# KiCad board hw-openmower-universal.kicad_pcb (continued)
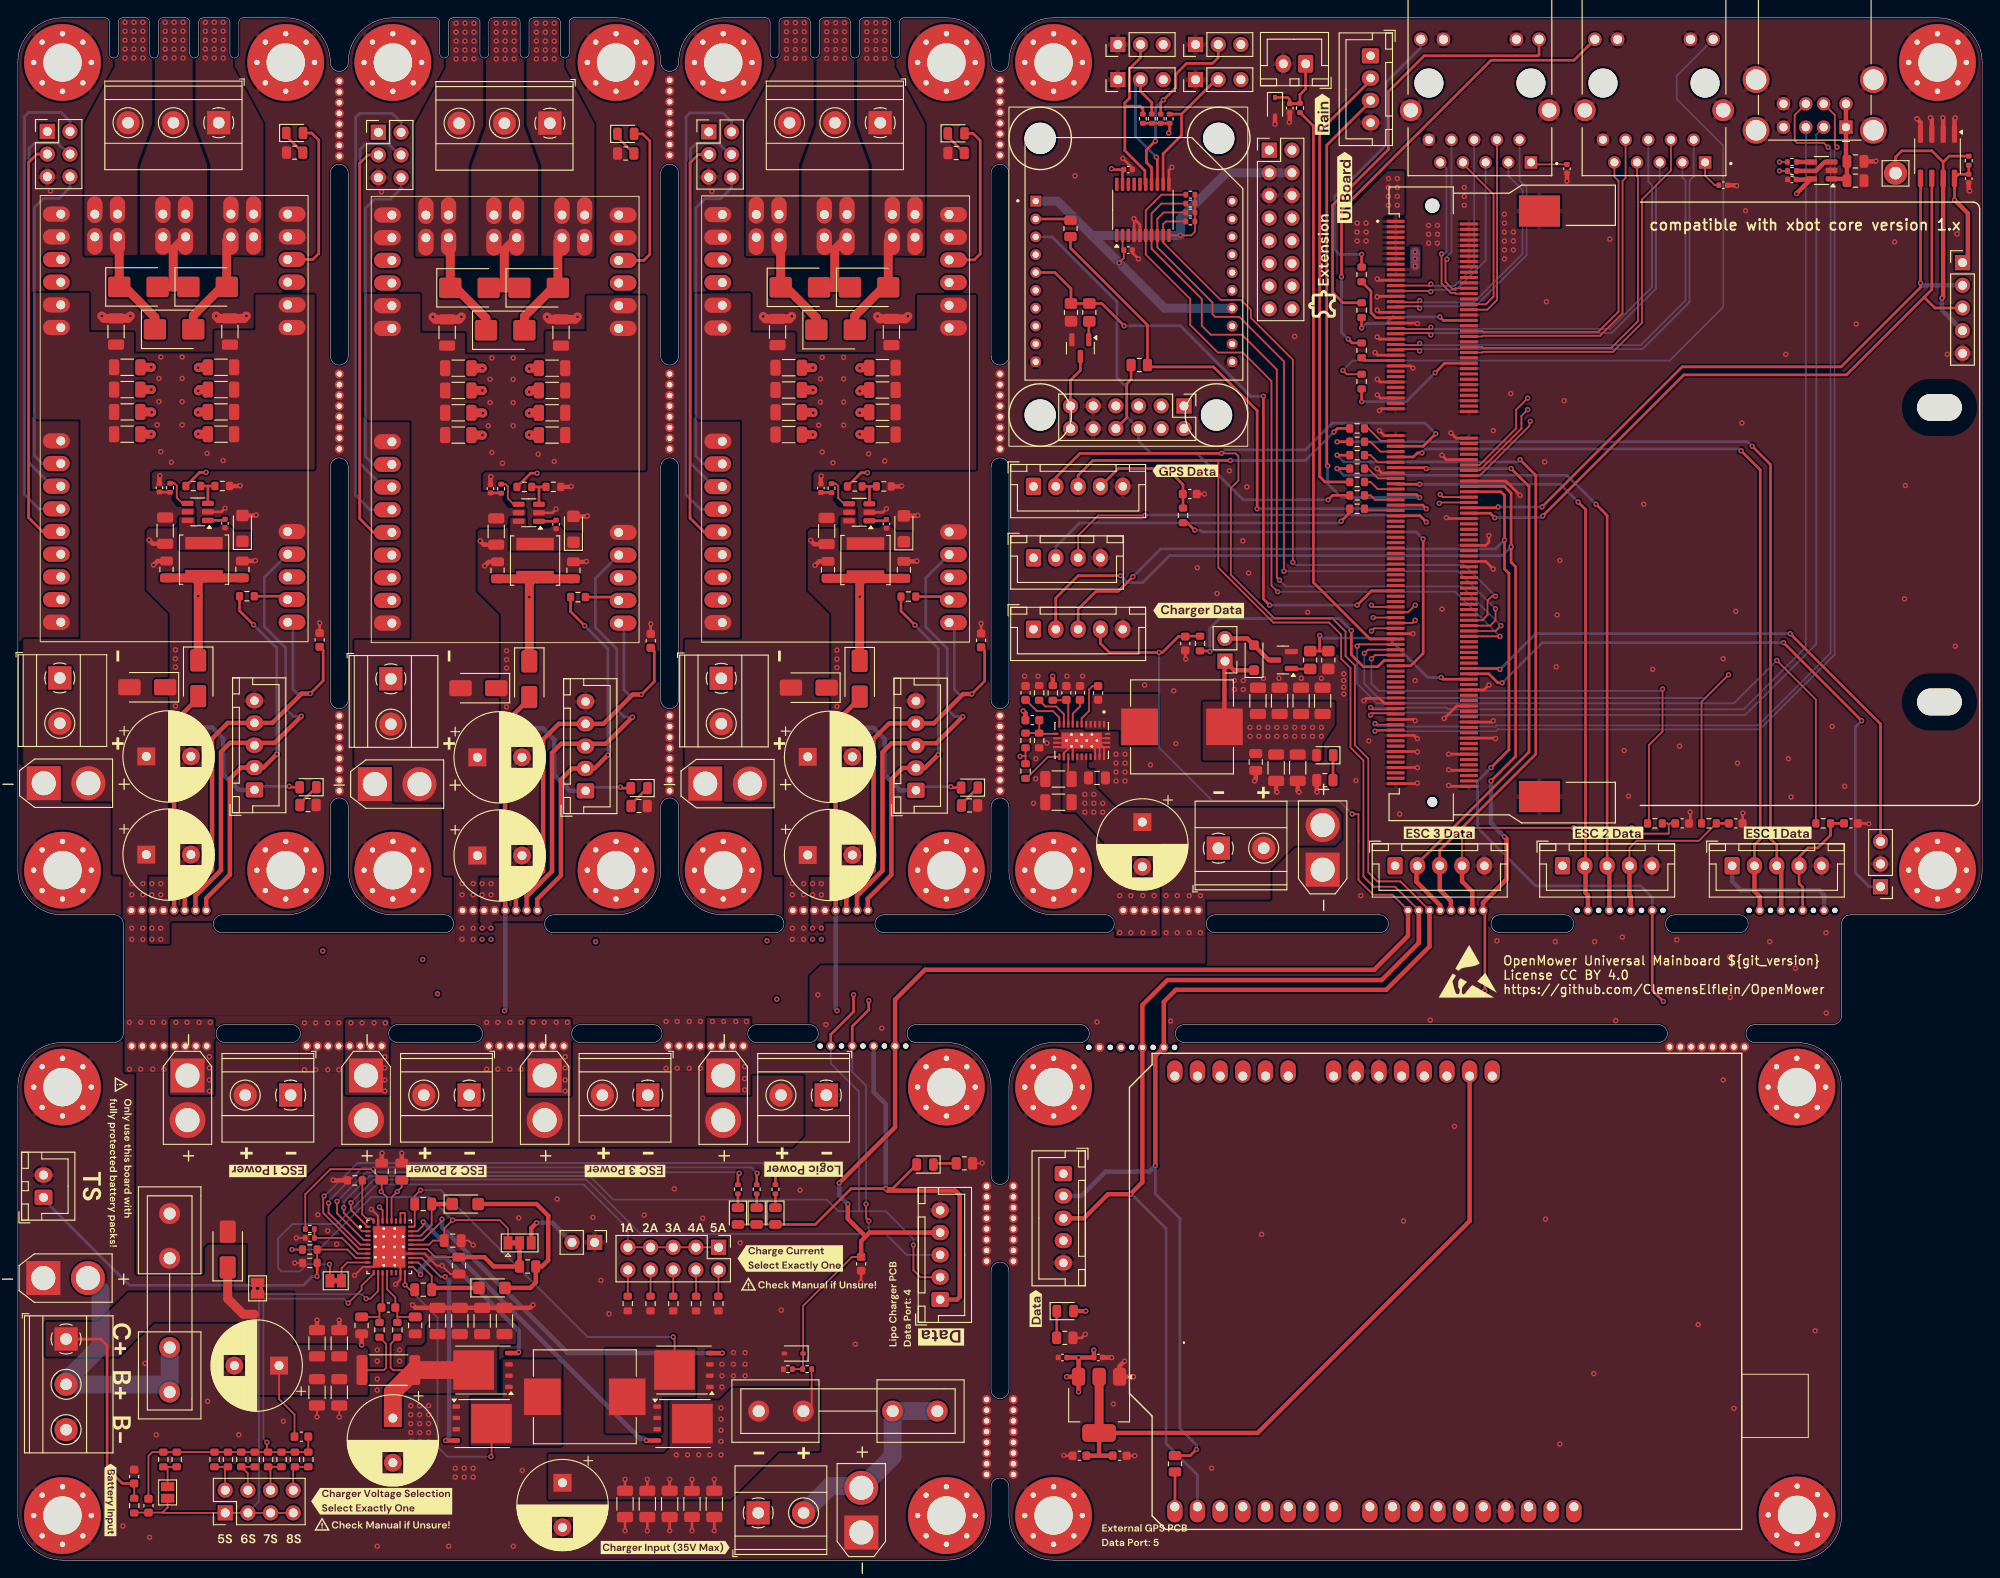
[diagram p0: board, top side]
## Footprints (pads in the part's own frame, mm; a bottom-side part is the same pattern mirrored in y, then rotated) (continued)
xcore
  round 1.6 hole 1.6 unplated: (0,33.4)
  round 1.1 hole 1.1 unplated: (0,-33.4)
  oval 5x3 hole 5x3 unplated: (56.8,10.8) (56.8,-22.2)
  rect 2x0.35 smd: 1(-4.1,31.65) 2(4.1,31.35) 3(-4.1,31.05) 4(4.1,30.75) 5(-4.1,30.45) 6(4.1,30.15) 7(-4.1,29.85) 8(4.1,29.55) 9(-4.1,29.25) 10(4.1,28.95) 11(-4.1,28.65) 12(4.1,28.35) 13(-4.1,28.05) 14(4.1,27.75) 15(-4.1,27.45) 16(4.1,27.15) 17(-4.1,26.85) 18(4.1,26.55) 19(-4.1,26.25) 20(4.1,25.95) 21(-4.1,25.65) 22(4.1,25.35) 23(-4.1,25.05) 24(4.1,24.75) 25(-4.1,24.45) 26(4.1,24.15) 27(-4.1,23.85) 28(4.1,23.55) 29(-4.1,23.25) 30(4.1,22.95) 31(-4.1,22.65) 32(4.1,22.35) 33(-4.1,22.05) 34(4.1,21.75) 35(-4.1,21.45) 36(4.1,21.15) 37(-4.1,20.85) 38(4.1,20.55) 39(-4.1,20.25) 40(4.1,19.95) 41(-4.1,19.65) 42(4.1,19.35) 43(-4.1,19.05) 44(4.1,18.75) 45(-4.1,18.45) 46(4.1,18.15) 47(-4.1,17.85) 48(4.1,17.55) 49(-4.1,17.25) 50(4.1,16.95) 51(-4.1,16.65) 52(4.1,16.35) 53(-4.1,16.05) 54(4.1,15.75) 55(-4.1,15.45) 56(4.1,15.15) 57(-4.1,14.85) 58(4.1,14.55) 59(-4.1,14.25) 60(4.1,13.95) 61(-4.1,13.65) 62(4.1,13.35) 63(-4.1,13.05) 64(4.1,12.75) 65(-4.1,12.45) 66(4.1,12.15) 67(-4.1,11.85) 68(4.1,11.55) 69(-4.1,11.25) 70(4.1,10.95) 71(-4.1,10.65) 72(4.1,10.35) 73(-4.1,7.65) 74(4.1,7.35) 75(-4.1,7.05) 76(4.1,6.75) 77(-4.1,6.45) 78(4.1,6.15) 79(-4.1,5.85) 80(4.1,5.55) 81(-4.1,5.25) 82(4.1,4.95) 83(-4.1,4.65) 84(4.1,4.35) 85(-4.1,4.05) 86(4.1,3.75) 87(-4.1,3.45) 88(4.1,3.15) 89(-4.1,2.85) 90(4.1,2.55) 91(-4.1,2.25) 92(4.1,1.95) 93(-4.1,1.65) 94(4.1,1.35) 95(-4.1,1.05) 96(4.1,0.75) 97(-4.1,0.45) 98(4.1,0.15) 99(-4.1,-0.15) 100(4.1,-0.45) 101(-4.1,-0.75) 102(4.1,-1.05) 103(-4.1,-1.35) 104(4.1,-1.65) 105(-4.1,-1.95) 106(4.1,-2.25) 107(-4.1,-2.55) 108(4.1,-2.85) 109(-4.1,-3.15) 110(4.1,-3.45) 111(-4.1,-3.75) 112(4.1,-4.05) 113(-4.1,-4.35) 114(4.1,-4.65) 115(-4.1,-4.95) 116(4.1,-5.25) 117(-4.1,-5.55) 118(4.1,-5.85) 119(-4.1,-6.15) 120(4.1,-6.45) 121(-4.1,-6.75) 122(4.1,-7.05) 123(-4.1,-7.35) 124(4.1,-7.65) 125(-4.1,-7.95) 126(4.1,-8.25) 127(-4.1,-8.55) 128(4.1,-8.85) 129(-4.1,-9.15) 130(4.1,-9.45) 131(-4.1,-9.75) 132(4.1,-10.05) 133(-4.1,-10.35) 134(4.1,-10.65) 135(-4.1,-10.95) 136(4.1,-11.25) 137(-4.1,-11.55) 138(4.1,-11.85) 139(-4.1,-12.15) 140(4.1,-12.45) 141(-4.1,-12.75) 142(4.1,-13.05) 143(-4.1,-13.35) 144(4.1,-13.65) 145(-4.1,-13.95) 146(4.1,-14.25) 147(-4.1,-14.55) 148(4.1,-14.85) 149(-4.1,-15.15) 150(4.1,-15.45) 151(-4.1,-15.75) 152(4.1,-16.05) 153(-4.1,-16.35) 154(4.1,-16.65) 155(-4.1,-16.95) 156(4.1,-17.25) 157(-4.1,-17.55) 158(4.1,-17.85) 159(-4.1,-18.15) 160(4.1,-18.45) 161(-4.1,-18.75) 162(4.1,-19.05) 163(-4.1,-19.35) 164(4.1,-19.65) 165(-4.1,-19.95) 166(4.1,-20.25) 167(-4.1,-20.55) 168(4.1,-20.85) 169(-4.1,-21.15) 170(4.1,-21.45) 171(-4.1,-21.75) 172(4.1,-22.05) 173(-4.1,-22.35) 174(4.1,-22.65) 175(-4.1,-22.95) 176(4.1,-23.25) 177(-4.1,-23.55) 178(4.1,-23.85) 179(-4.1,-24.15) 180(4.1,-24.45) 181(-4.1,-24.75) 182(4.1,-25.05) 183(-4.1,-25.35) 184(4.1,-25.65) 185(-4.1,-25.95) 186(4.1,-26.25) 187(-4.1,-26.55) 188(4.1,-26.85) 189(-4.1,-27.15) 190(4.1,-27.45) 191(-4.1,-27.75) 192(4.1,-28.05) 193(-4.1,-28.35) 194(4.1,-28.65) 195(-4.1,-28.95) 196(4.1,-29.25) 197(-4.1,-29.55) 198(4.1,-29.85) 199(-4.1,-30.15) 200(4.1,-30.45) 201(-4.1,-30.75) 202(4.1,-31.05) 203(-4.1,-31.35) 204(4.1,-31.65)
  rect 4.6x3.5 smd: SH1(12,32.8) SH2(12,-32.8)
xESC2-mini
  oval 1.7x3 hole 1: 1(-17.775,27.94) 2(-15.235,27.94) 3(-10.155,27.94) 4(-7.615,27.94) 5(-5.075,27.94) 5V(-12.695,27.94) 5V(17.785,27.94) 5V(17.785,2.54) 5V(20.325,27.94) 5V(20.325,2.54) 6(-2.535,27.94) 11(-20.315,2.54) 12(-17.775,2.54) 13(-15.235,2.54) 14(-12.695,2.54) GND(-20.315,27.94) GND(-10.155,2.54) GND(0.005,27.94) GND(22.865,27.94) GND(22.865,2.54) GND(25.405,27.94) GND(25.405,2.54) VM(12.705,27.94) VM(12.705,2.54) VM(15.245,27.94) VM(15.245,2.54)
  oval 3x1.7 hole 1: U(22.865,8.89) U(22.865,6.35) U(25.405,8.89) U(25.405,6.35) V(22.865,16.51) V(22.865,13.97) V(25.405,16.51) V(25.405,13.97) W(22.865,24.13) W(22.865,21.59) W(25.405,24.13) W(25.405,21.59)

## Nets
/5V: C4.1 C20.1 C28.1 C29.1 C30.1 C31.1 C32.1 C33.1 C37.2 C63.2 C117.1 C118.1 D4.2 D5.2 D6.2 D15.2 D21.1 D24.2 D25.2 D28.2 D29.2 D36.2 D37.2 D38.2 D39.2 J1.1 J5.1 J5.2 J11.1 J12.1 J12.3 J12.5 J12.7 J12.9 J12.11 J12.13 J12.15 J12.17 J15.1 J16.1 J18.1 J20.1 J21.1 J23.1 J25.1 J26.1 J27.1 J28.3 J29.1 J30.3 J52.3 J54.3 L1.2 M1.1 R7.2 R8.1 R47.1 R48.1 R49.1 R50.1 R56.2 R57.1 R82.1 U1.3 U3.5 U7.19 U12.3 U13.2 U13.8 U49.4 U50.5 U51.5 U52.5 U61.3 XA1.5V1
/GPS/3.3V: C119.2 C120.2 U12.2 XA1.IORF
/subpcb_logic/3.3V: C17.1 C19.1 J5.3 J5.4 J12.19 J12.21 J32.1 R15.1 R19.1 R37.1 R38.1 R41.1 U5.8 U6.1 U6.14 U7.2 U7.10
/xESC1/5V: C102.1 C103.1 D24.1 D32.2 J37.1 L6.2 R28.1 U9.5V
/xESC2/5V: C107.1 C108.1 D28.1 D33.2 J38.1 L7.2 R31.1 U10.5V
/xESC/5V: C21.1 C35.1 D4.1 D31.2 J36.1 L5.2 R10.1 U8.5V
GND: C1.2 C2.2 C3.2 C4.2 C5.2 C6.2 C7.2 C8.2 C9.2 C12.1 C14.1 C15.1 C17.2 C18.2 C19.2 C20.2 C21.2 C22.2 C23.2 C24.2 C25.2 C26.1 C29.2 C30.2 C31.2 C32.2 C33.2 C34.2 C35.2 C36.2 C37.1 C38.2 C39.2 C40.2 C41.2 C42.2 C43.2 C44.2 C45.2 C46.2 C47.2 C48.2 C50.2 C51.2 C52.2 C53.2 C54.2 C55.2 C56.2 C57.2 C58.2 C59.2 C60.2 C61.2 C62.2 C63.1 C64.2 C65.2 C66.2 C67.2 C68.2 C69.2 C70.2 C71.2 C72.2 C73.2 C74.2 C75.2 C76.2 C77.2 C78.2 C79.2 C80.2 C81.1 C82.2 C84.2 C85.2 C86.2 C87.2 C88.2 C89.2 C90.2 C91.2 C92.2 C93.2 C94.2 C95.2 C96.2 C97.2 C98.2 C99.2 C100.2 C102.2 C103.2 C104.2 C105.2 C107.2 C108.2 C109.2 C110.2 C111.2 C115.1 C117.2 C118.2 C119.1 C120.1 D1.2 D7.1 D11.1 D17.1 D22.2 D23.2 D27.2 D30.2 H1.1 H2.1 H3.1 H5.1 H6.1 H7.1 H10.1 H13.1 H14.1 H15.1 H17.1 H20.1 H21.1 H22.1 H23.1 H24.1 H25.1 H26.1 H27.1 H28.1 H29.1 H30.1 H31.1 H32.1 J1.4 J3.3 J5.5 J5.6 J6.4 J6.8 J6.9 J7.10 J7.12 J7.13 J7.S1 J7.S2 J8.10 J8.12 J8.13 J8.S1 J8.S2 J9.1 J10.1 J11.5 J12.2 J12.4 J12.6 J12.8 J12.10 J12.12 J12.14 J12.16 J12.18 J12.23 J12.24 J12.29 J12.30 J12.35 J12.36 J12.39 J12.40 J12.45 J12.46 J12.51 J12.52 J12.55 J12.56 J12.61 J12.62 J12.67 J12.68 J12.71 J12.72 J12.73 J12.74 J12.82 J12.87 J12.90 J12.104 J12.114 J12.120 J12.147 J12.168 J12.173 J12.174 J12.179 J12.180 J12.185 J12.186 J12.191 J12.192 J12.197 J12.198 J12.203 J12.204 J12.SH1 J12.SH2 J13.1 J14.1 J15.4 J16.5 J17.1 J18.5 J19.2 J20.5 J21.5 J23.5 J24.2 J25.5 J26.5 J27.5 J28.1 J29.5 J30.1 J31.2 J32.5 J36.5 J37.5 J38.5 J39.1 J40.1 J41.1 J42.1 J43.1 J44.1 J52.1 J54.1 J56.1 J57.1 J58.1 J59.1 J60.1 J61.1 J62.1 J63.1 Q1.2 Q2.2 Q7.1 Q7.2 Q7.3 Q9.1 Q9.2 Q9.3 R2.1 R4.2 R17.2 R22.2 R24.1 R29.2 R32.2 R36.2 R44.2 R45.2 R46.2 R51.2 R52.1 R55.1 R60.2 R61.2 R62.2 R64.2 R65.2 R73.2 R74.1 R75.2 R78.2 R79.2 R81.2 R89.2 TP1.1 U1.4 U2.5 U2.6 U2.7 U2.8 U3.2 U4.5 U4.6 U4.7 U4.8 U5.1 U5.2 U5.3 U5.4 U6.10 U6.11 U7.4 U7.5 U7.11 U8.GND U9.GND U10.GND U11.13 U11.14 U11.15 U11.17 U11.19 U11.24 U11.25 U11.26 U11.27 U11.28 U11.29 U11.30 U11.31 U12.1 U13.5 U13.11 U27.10 U27.17 U27.22 U27.35 U27.37 U28.2 U29.2 U47.2 U50.3 U50.4 U51.3 U51.4 U52.3 U52.4 U53.5 U53.6 U53.7 U53.8 U54.5 U54.6 U54.7 U54.8 U55.5 U55.6 U55.7 U55.8 U56.1 U56.2 U56.3 U56.4 U56.5 U56.6 U56.7 U56.8 U57.1 U57.2 U57.3 U57.4 U57.5 U57.6 U57.7 U57.8 U58.1 U58.2 U58.3 U58.4 U58.5 U58.6 U58.7 U58.8 U59.1 U59.2 U59.3 U59.4 U59.5 U59.6 U59.7 U59.8 U62.1 U62.2 U62.3 U62.4 U62.5 U62.6 U62.7 U62.8 U63.1 U63.2 U63.3 U63.4 U63.5 U63.6 U63.7 U63.8 U64.1 U64.2 U64.3 U64.4 U64.5 U64.6 U64.7 U64.8 U65.1 U65.2 U65.3 U65.4 U65.5 U65.6 U65.7 U65.8 U66.1 U66.2 U66.3 U66.4 U66.5 U66.6 U66.7 U66.8 U67.1 U67.2 U67.3 U67.4 U67.5 U67.6 U67.7 U67.8 U68.1 U68.2 U68.3 U68.4 U68.5 U68.6 U68.7 U68.8 U69.1 U69.2 U69.3 U69.4 U69.5 U69.6 U69.7 U69.8 U70.1 U70.2 U70.3 U70.4 U70.5 U70.6 U70.7 U70.8 U71.1 U71.2 U71.3 U71.4 U71.5 U71.6 U71.7 U71.8 XA1.GND1 XA1.GND2 XA1.GND3
/I2C1.SCL: J12.94 J23.3 J27.3 U27.1 U48.4 U61.2
/I2C1.SDA: J12.92 J23.2 J27.2 U27.2 U60.8 U61.1
/subpcb_charger/Charger/DRV_SUP: C78.1 JP1.2 R66.1 U27.23
/subpcb_charger/Charger/FB: C11.1 J2.1 J2.3 J2.5 J2.7 JP3.2 R33.2 U27.12
/subpcb_charger/Charger/FBG: C11.2 C49.2 R23.2 R71.2 R80.2 R86.2 R87.2 R88.2 R93.2 R94.2 R95.2 R96.2 U27.11
/subpcb_charger/Charger/ICHG: JP4.2 U27.9
/subpcb_charger/Charger/REGN: C84.1 JP1.1 R72.1 U27.24
/subpcb_charger/Charger/SRN: C82.1 C83.2 R69.2 U27.13
/subpcb_charger/Charger/SRP: C81.2 C83.1 R68.2 U27.14
/subpcb_charger/Charger/STAT1: R34.2 U27.4
/subpcb_charger/Charger/STAT2: R35.2 U27.5
/subpcb_charger/Charger/TS: J19.1 R72.2 R73.1 U27.8
/subpcb_charger/Charger/V_BATT_CHARGE: C12.2 C43.1 C44.1 C45.1 C46.1 C47.1 C49.1 D3.1 J3.1 JP2.2 R33.1 R67.1 R69.1
/subpcb_charger/Charger/~{PG}: R76.2 U27.6
/subpcb_charger/V_CHARGE: C38.1 C39.1 C40.1 C41.1 C42.1 C79.1 C80.1 F2.2 Q6.5 R21.1 R22.1 R54.2 U27.32 U27.33 U27.34
/subpcb_logic/AGPIO0: J12.149 R16.1
/subpcb_logic/AGPIO1: C48.1 C76.1 J11.4 J18.4 R18.1 U8.11 U49.3 U50.6
/subpcb_logic/AGPIO2: C8.1 C109.1 J20.4 J25.4 R39.1 U9.11 U48.3 U51.6
/subpcb_logic/AGPIO3: C7.1 C110.1 J21.4 J26.4 R40.1 U10.11 U52.6 U60.7
/subpcb_logic/AGPIO4: C2.1 C111.1 D23.1 J23.4 J27.4 R42.1 R54.1 R55.2 U60.1 U61.4
/subpcb_logic/AGPIO5: C6.1 J16.4 R63.1
/subpcb_logic/Connectors/ETH1.LED_G: J12.54 R11.1
/subpcb_logic/Connectors/ETH1.LED_Y: J12.53 R12.1
/subpcb_logic/Connectors/ETH1.PAIR_A_N: J7.3 J12.47
/subpcb_logic/Connectors/ETH1.PAIR_A_P: J7.2 J12.49
/subpcb_logic/Connectors/ETH1.PAIR_B_N: J7.7 J12.48
/subpcb_logic/Connectors/ETH1.PAIR_B_P: J7.4 J12.50
/subpcb_logic/Connectors/ETH1.PAIR_C_N: J7.6 J12.41
/subpcb_logic/Connectors/ETH1.PAIR_C_P: J7.5 J12.43
/subpcb_logic/Connectors/ETH1.PAIR_D_N: J7.9 J12.42
/subpcb_logic/Connectors/ETH1.PAIR_D_P: J7.8 J12.44
/subpcb_logic/Connectors/ETH2.LED_G: J12.38 R13.1
/subpcb_logic/Connectors/ETH2.LED_Y: J12.37 R14.1
/subpcb_logic/Connectors/ETH2.PAIR_A_N: J8.3 J12.31
/subpcb_logic/Connectors/ETH2.PAIR_A_P: J8.2 J12.33
/subpcb_logic/Connectors/ETH2.PAIR_B_N: J8.7 J12.32
/subpcb_logic/Connectors/ETH2.PAIR_B_P: J8.4 J12.34
/subpcb_logic/Connectors/ETH2.PAIR_C_N: J8.6 J12.25
/subpcb_logic/Connectors/ETH2.PAIR_C_P: J8.5 J12.27
/subpcb_logic/Connectors/ETH2.PAIR_D_N: J8.8 J12.26
/subpcb_logic/Connectors/ETH2.PAIR_D_P: J8.9 J12.28
/subpcb_logic/Connectors/USBH1.N: J6.2 J12.177
/subpcb_logic/Connectors/USBH1.P: J6.3 J12.175
/subpcb_logic/Connectors/USBH2.N: J6.6 J12.183
/subpcb_logic/Connectors/USBH2.P: J6.7 J12.181
/subpcb_logic/DCDC/BIAS: C115.2 R82.2 U11.9
/subpcb_logic/GPIO0: J5.7 J12.145
/subpcb_logic/GPIO1: J12.131 R24.2 R25.1 U6.5
/subpcb_logic/GPIO2: J5.11 J12.141
/subpcb_logic/GPIO3: J5.13 J12.139
/subpcb_logic/GPIO4: J5.15 J12.137
/subpcb_logic/GPIO7: J5.9 J12.143
/subpcb_logic/GPIO10: J12.148 R41.2 U7.6
/subpcb_logic/GPIO11: J12.146 R38.2 U7.7
/subpcb_logic/GPIO12: J12.144 R37.2 U7.8
/subpcb_logic/GPIO13: J12.142 R19.2 U7.9
/subpcb_logic/HALL0_5V: J54.2 R50.2 U7.15
/subpcb_logic/HALL1_5V: J52.2 R49.2 U7.14
/subpcb_logic/HALL2_5V: J30.2 R48.2 U7.13
/subpcb_logic/HALL3_5V: J28.2 R47.2 U7.12
/subpcb_logic/I2C2.SCL: J5.10 J12.98
/subpcb_logic/I2C2.SDA: J5.8 J12.96
/subpcb_logic/I2C4_ID.SCL: J12.102 J32.3 U5.6
/subpcb_logic/I2C4_ID.SDA: J12.100 J32.2 U5.5
/subpcb_logic/RASPI_FAN_ON: J12.164 R52.2 R53.1
/subpcb_logic/SPI2.MISO: J5.12 J12.84
/subpcb_logic/SPI2.MOSI: J5.14 J12.86
/subpcb_logic/SPI2.SCK: J5.16 J12.88
/subpcb_logic/STM_SWCLK: J12.160 J31.3
/subpcb_logic/STM_SWDIO: J12.162 J31.1
/subpcb_logic/UART7.RX: J12.95 J15.3
/subpcb_logic/UART7.TX: J15.2 R83.1
/subpcb_logic/UART8.RX: J12.99 R26.2 R58.2
/subpcb_logic/UART8.TX: R84.1 U6.3 U13.9
/subpcb_logic/UART10.RX: J1.3 J12.103
/subpcb_logic/UART10.TX: J1.2 R85.1
/subpcb_logic/~{WC}: J32.4 R15.2 TP2.1 U5.7
/UART1.RX: J11.2 J12.81 J18.2 R43.1 U49.1 U50.8
/UART1.TX: J11.3 J18.3 R1.1 U8.14 U49.2 U50.7
/UART2.RX: J12.91 J20.2 J25.2 R70.1 U48.1 U51.8
/UART2.TX: J20.3 J25.3 R3.1 U9.14 U48.2 U51.7
/UART4.RX: J12.85 J21.2 J26.2 R77.1 U52.8 U60.4
/UART4.TX: J21.3 J26.3 R5.1 U10.14 U52.7 U60.5
/UART6.RX: J12.77 J16.2 J29.2 R59.2 U1.1 U60.3
/UART6.TX: J16.3 J29.3 R6.1 U1.2 U60.2 XA1.D1
/V_BATTERY: C1.1 C3.1 C22.1 C23.1 C24.1 C34.1 C36.1 C51.1 C52.1 C53.1 C54.1 C57.1 C60.1 C61.1 C62.1 C64.1 C65.1 C66.1 C67.1 C68.1 C69.1 C70.1 C71.1 C72.1 C73.1 C74.1 C75.1 C77.1 C85.1 C86.1 C87.1 C88.1 C89.1 C90.1 C91.1 C92.1 C93.1 C94.1 C95.1 C96.1 C97.1 C98.1 C99.1 C100.1 C104.1 C105.1 D3.2 D7.2 D11.2 D17.2 F1.2 J13.2 J14.2 J39.2 J40.2 J41.2 J42.2 J43.2 J44.2 J56.2 J57.2 J58.2 J59.2 J60.2 J61.2 J62.2 J63.2 JP2.1 R9.1 R27.1 R30.1 U2.1 U2.2 U2.3 U2.4 U4.1 U4.2 U4.3 U4.4 U8.VM U9.VM U10.VM U11.18 U11.20 U11.21 U11.22 U28.5 U29.5 U47.5 U50.1 U50.2 U51.1 U51.2 U52.1 U52.2 U53.1 U53.2 U53.3 U53.4 U54.1 U54.2 U54.3 U54.4 U55.1 U55.2 U55.3 U55.4
/xESC1/HALL_SENSOR.U: J37.2 U9.4
/xESC1/HALL_SENSOR.V: J37.4 U9.5
/xESC1/HALL_SENSOR.W: J37.6 U9.6
/xESC1/PHASE.U: D12.2 D14.2 J34.1 U9.U
/xESC1/PHASE.V: D12.1 D13.2 J34.2 U9.V
/xESC1/PHASE.W: D13.1 D14.1 J34.3 U9.W
/xESC1/Temperature: J37.3 U9.3
/xESC2/HALL_SENSOR.U: J38.2 U10.4
/xESC2/HALL_SENSOR.V: J38.4 U10.5
/xESC2/HALL_SENSOR.W: J38.6 U10.6
/xESC2/PHASE.U: D18.2 D20.2 J35.1 U10.U
/xESC2/PHASE.V: D18.1 D19.2 J35.2 U10.V
/xESC2/PHASE.W: D19.1 D20.1 J35.3 U10.W
/xESC2/Temperature: J38.3 U10.3
/xESC/HALL_SENSOR.U: J36.2 U8.4
/xESC/HALL_SENSOR.V: J36.4 U8.5
/xESC/HALL_SENSOR.W: J36.6 U8.6
/xESC/PHASE.U: D8.2 D10.2 J22.1 U8.U
/xESC/PHASE.V: D8.1 D9.2 J22.2 U8.V
/xESC/PHASE.W: D9.1 D10.1 J22.3 U8.W
/xESC/Temperature: J36.3 U8.3
Net-(C27-Pad2): C27.2 L1.1 U11.1 U11.2 U11.3 U11.4 U11.5
Net-(D1-K): C18.1 D1.1 J24.1 R16.2
Net-(D2-A): D2.2 D26.2 R66.2
Net-(D2-K): C16.2 D2.1 U27.20
Net-(D5-K): D5.1 R34.1
Net-(D6-K): D6.1 R35.1
Net-(D15-K): D15.1 R62.1
Net-(D21-A): D21.2 M1.2 Q2.3
Net-(D22-K): C10.1 D22.1 L5.1 U28.6
Net-(D25-K): D25.1 R44.1
Net-(D26-K): C13.2 D26.1 U27.26
Net-(D27-K): C101.1 D27.1 L6.1 U29.6
Net-(D29-K): D29.1 R76.1
Net-(D30-K): C106.1 D30.1 L7.1 U47.6
Net-(D31-K): D31.1 R45.1
Net-(D32-K): D32.1 R46.1
Net-(D33-K): D33.1 R60.1
Net-(D36-K): D36.1 R64.1
Net-(D37-K): D37.1 R65.1
Net-(D38-K): D38.1 R78.1
Net-(D39-K): D39.1 R79.1
Net-(J2-Pin_2): J2.2 R87.1 R88.1
Net-(J2-Pin_4): J2.4 R23.1 R71.1
Net-(J2-Pin_6): J2.6 R80.1 R86.1
Net-(J2-Pin_8): J2.8 R93.1 R94.1
Net-(J3-Pin_2): F1.1 J3.2 J9.2
Net-(J4-Pin_1): J4.1 J4.3 J4.5 J4.7 J4.9 JP4.1
Net-(J4-Pin_2): J4.2 R89.1
Net-(J4-Pin_4): J4.4 R81.1
Net-(J4-Pin_6): J4.6 R36.1
Net-(J4-Pin_8): J4.8 R4.1
Net-(J4-Pin_10): J4.10 R2.2
Net-(J6-VBUS1): C5.1 C9.1 J6.1 J6.5 U3.1
Net-(J7-P1): C14.2 J7.1
Net-(J7-Pad11): J7.11 R11.2
Net-(J7-Pad14): J7.14 R12.2
Net-(J8-P1): C15.2 J8.1
Net-(J8-Pad11): J8.11 R13.2
Net-(J8-Pad14): J8.14 R14.2
Net-(J10-Pin_2): F2.1 J10.2 J17.2
Net-(J12B-UART1.TX): J12.79 R1.2
Net-(J12B-UART2.TX): J12.89 R3.2
Net-(J12B-UART4.TX): J12.83 R5.2
Net-(J12B-UART6.TX): J12.75 R6.2
Net-(J12B-UART7.TX): J12.93 R83.2
Net-(J12B-UART8.TX): J12.97 R84.2
Net-(J12B-UART10.TX): J12.101 R85.2
Net-(J12D-AGPIO1): J12.151 R18.2
Net-(J12D-AGPIO2): J12.153 R39.2
Net-(J12D-AGPIO3): J12.155 R40.2
Net-(J12D-AGPIO4): J12.157 R42.2
Net-(J12D-AGPIO5): J12.159 R63.2
Net-(JP1-B): JP1.3 TP1.2
Net-(JP3-A): JP3.1 R95.1 R96.1
Net-(Q1-D): Q1.3 U13.6 U13.12
Net-(Q1-G): Q1.1 R25.2
Net-(Q2-G): Q2.1 R53.2
Net-(Q6-G): Q6.4 U27.27
Net-(Q7-D): C13.1 L4.1 Q6.1 Q6.2 Q6.3 Q7.5 U27.28
Net-(Q7-G): Q7.4 U27.25
Net-(Q8-D): C50.1 C55.1 C56.1 C58.1 C59.1 Q8.5 R67.2 R68.1
Net-(Q8-G): Q8.4 U27.19
Net-(Q9-D): C16.1 L4.2 Q8.1 Q8.2 Q8.3 Q9.5 U27.18
Net-(Q9-G): Q9.4 U27.21
Net-(U3-EN): R7.1 U3.4
Net-(U3-~{FLT}): R8.2 U3.3
Net-(U6-TX1): R26.1 U6.2
Net-(U8-MOSI/TX): R43.2 U8.12
Net-(U9-MOSI/TX): R70.2 U9.12
Net-(U10-MOSI/TX): R77.2 U10.12
Net-(U11-BOOT): C27.1 U11.6
Net-(U11-FB): C28.2 R57.2 R61.1 U11.12
Net-(U11-PGOOD): R56.1 U11.16
Net-(U11-RT): R51.1 U11.10
Net-(U11-SS/TRK): C25.1 U11.11
Net-(U11-VCC): C26.2 U11.8
Net-(U13-TXD): R58.1 U13.10
Net-(U27-ACN): U27.29 U27.30
Net-(U27-FSW_SYNC): R74.2 U27.36
Net-(U27-~{CE}): R21.2 R75.1 U27.7
Net-(U28-CB): C10.2 U28.1
Net-(U28-FB): R10.2 R17.1 U28.3
Net-(U28-~{SHDN}): R9.2 U28.4
Net-(U29-CB): C101.2 U29.1
Net-(U29-FB): R28.2 R29.1 U29.3
Net-(U29-~{SHDN}): R27.2 U29.4
Net-(U47-CB): C106.2 U47.1
Net-(U47-FB): R31.2 R32.1 U47.3
Net-(U47-~{SHDN}): R30.2 U47.4
Net-(XA1-TXD): R59.1 XA1.D0

Pads without a net: J12 20 22 57 58 59 60 63 64 65 66 69 70 76 78 80 105 106 107 108 109 110 111 112 113 115 116 117 118 119 121 122 123 124 125 126 127 128 129 130 132 133 134 135 136 138 140 150 152 154 156 158 161 163 165 166 167 169 170 171 172 176 178 182 184 187 188 189 190 193 194 195 196 199 200 201 202; J29 4; U6 4 6 7 8 9 12 13 15 16 17 18 19 20; U7 1 3 16 17 18 20; U8 1 2 13; U9 1 2 13; U10 1 2 13; U11 7 23; U13 1 3 4 7; U27 3 15 16 31; U60 6; XA1 3V3 A0 A1 A2 A3 A4 A5 AREF D2 D3 D4 D5 D6 D7 D8 D9 D10 D11 D12 D13 RST1 SCL SDA VIN

## Via types
v1: diameter 0.6, hole 0.3, Top to Bottom, 928 vias

## Routing (per net, layer and track width the routed paths; a pad name or vN(x,y) marks a point on that pad's centre or on a via; arc(x,y) is an arc through that point)
/5V: length 489.6
  Top w0.2: R57.1 112.86,90.1 ; 112.86,90.1 112.3,90.1 v1(112.25,90.05) ; 112.86,90.1 R56.2 ; v1(197.3,155.65) R8.1 198.21,155.65 C4.1 ; D5.2 D29.2 ; R7.2 v1(197.3,156.65)
  Top w0.3: v1(97.2,41.63) 97.92,41.63 ; v1(97.2,41.63) 97.97,41.63 D39.2 ; v1(97.2,41.63) 93.33,41.63 89.31,37.61 D29.2 ; v1(128.9,159.9) 129,160 R47.1 R50.1 ; v1(122.5,155.9) 122.6,155.8 C20.1 123.72,155.66 U7.19 ; D37.2 67.58,86.5 v1(67.48,86.6) ; D36.2 30.5,86.6 v1(30.4,86.7) ; v1(104.49,86.66) 104.59,86.56 D38.2
  Top w0.5: v1(120.5,23.55) 120.52,23.53 C37.2 v1(118.8,22.7) ; 54.58,72.7 v1(54.58,93.2) 54.58,93.8 57.28,96.5 D24.2 ; L1.2 135.14,100.66 M1.1 136.22,99.71 D21.1 ; C4.1 200.8,154.68 U3.5 200.85,154.75 v1(199.2,153.1) ; R82.1 115.91,99.04 v1(115.9,99.05) ; D4.2 20.2,96.6 17.5,93.9 v1(17.5,93.3) U50.5 ; v1(97.2,41.63) 97.43,41.4 105,41.4 105.5,40.9 105.5,29.5 105.2,29.2 J27.1 ; v1(112.6,95.15) 112.85,94.9 C28.1 ; D25.2 v1(119.6,27.9) ; U12.3 v1(118.8,18.85) ; U12.3 v1(117.45,20.55) ; U12.3 v1(118.8,22.7) ; v1(118.8,22.7) C63.2 ; 91.59,72.76 v1(91.59,93.26) 91.59,93.86 94.28,96.56 D28.2
  Top w1: 57.43,96.55 D24.2 ; 20.35,96.65 D4.2 ; 94.44,96.61 D28.2
  In2.Cu-PWR-SIG w0.5: U61.3 95.85,60.95 96.45,61.55 ; U49.4 202.3,72.05 203.5,70.85 203.5,64.8 200.25,61.55 123.6,61.55 ; U50.5 17.5,62.05 18,61.55 v1(54.5,61.55) v1(91.75,61.55) 96.45,61.55 ; U1.3 123.55,61.5 123.6,61.55 ; 123.6,61.55 96.45,61.55
  Bottom w0.3: v1(104.49,86.66) 100.99,86.66 J26.1 ; v1(30.4,86.7) 26.9,86.7 J18.1 ; v1(67.48,86.6) 63.98,86.6 J25.1
  Bottom w0.5: v1(54.5,61.55) 54.6,61.65 U51.5 ; v1(17.5,93.3) 21.75,93.3 23,92.05 23,88.05 24.75,86.3 J18.1 ; J11.1 192,76.05 193,75.05 201.75,75.05 202.3,74.5 U49.4 ; v1(97.2,41.63) 97.2,51.1 95.85,52.45 U61.3 ; v1(54.58,93.2) 58.83,93.2 60.08,91.95 60.08,87.95 61.83,86.2 J25.1 ; v1(91.59,93.26) 95.84,93.26 97.09,92.01 97.09,88.01 98.84,86.26 J26.1 ; v1(91.75,61.55) 91.6,61.7 U52.5
  vias: v1(138,93.3) v1(138,92.3) v1(139,93.3) v1(139,92.3) v1(140,93.3) v1(140,92.3) v1(141,93.3) v1(141,92.3) v1(142,93.3) v1(142,92.3) v1(143,93.3) v1(143,92.3) v1(144,93.3) v1(144,92.3) v1(145,93.3) v1(145,92.3) v1(146,93.3) v1(146,92.3) v1(150,149.8) v1(150,148.8) v1(150,147.8) v1(151,149.8) v1(151,148.8) v1(151,147.8) v1(153.5,154.8) v1(153.5,153.8) v1(153.5,152.8) v1(153.5,151.8) v1(154.5,154.8) v1(154.5,153.8) v1(154.5,152.8) v1(154.5,151.8)
/GPS/3.3V: length 79.4
  Top w0.5: 121.15,11.7 121.1,11.75 U12.2 138.85,14.25 162.6,38 XA1.IORF ; 121.15,11.7 C120.2 ; 121.15,11.7 C119.2
  Top w1: U12.2 U12.2
/subpcb_logic/3.3V: length 170.3
  Top w0.2: v1(123.35,145.35) 123.87,145.87 C19.1 123.72,146.93 U7.2 ; U7.10 131.43,148.43 131.83,148.83 R19.1 R41.1
  Top w0.3: v1(216.9,152.4) 216.9,152.41 U5.8 217.36,155.28 C17.1 R15.1
  Top w0.5: v1(216.9,152.4) 218.4,150.9 218.4,145.98 J32.1
  In2.Cu-PWR-SIG w0.5: v1(216.9,152.4) 205.5,152.4 200.1,157.8 194.4,157.8 179.9,143.3 160.3,143.3 158.6,145 v1(156.5,145)
  In2.Cu-PWR-SIG w1: J5.3 148.86,155.44 151.6,152.7 151.6,151.7 156.5,146.8 v1(156.5,145)
  Bottom w1: U6.14 128.44,140.26 v1(123.35,145.35) 120.3,148.4 ; 120.3,148.4 116.44,152.26 U6.1 ; 120.3,148.4 120.32,148.43 v1(130.2,148.43) 130.2,150.3 135.34,155.44 J5.4 ; v1(156.5,146.6) v1(156.5,145.8) v1(156.5,145)
/xESC1/5V: length 146
  Top w0.3: v1(58.15,121.78) 57.43,121.78 R28.1 ; U9.5V 70.11,145.62 70.78,146.3 70.78,159 69.98,159.8 D32.2
  Top w1: D24.1 v1(57.28,107.9) 57.28,109.5 L6.2 ; L6.2 58.13,109.95 C102.1 ; L6.2 57.73,109.95 C103.1
  In2.Cu-PWR-SIG w0.5: J37.1 39.56,159.98 38.08,158.5 38.08,146.5 38.95,145.62 U9.5V
  In2.Cu-PWR-SIG w1: U9.5V 58.39,112.61 ; 58.39,112.61 58.39,109.01 v1(57.28,107.9) ; 58.39,112.61 61.68,115.9 61.68,118.25 v1(58.15,121.78) 54.23,125.7 54.23,143.09 ; 54.23,143.09 U9.5V U9.5V ; 54.23,143.09 U9.5V U9.5V
/xESC2/5V: length 146
  Top w0.3: U10.5V 107.11,145.68 107.78,146.36 107.78,159.06 106.99,159.86 D33.2 ; R31.1 94.44,121.83 v1(95.16,121.83)
  Top w1: L7.2 94.28,109.56 v1(94.28,107.96) D28.1 ; L7.2 95.13,110 C107.1 ; L7.2 94.73,110 C108.1
  In2.Cu-PWR-SIG w0.5: J38.1 76.56,160.03 75.08,158.56 75.08,146.56 75.96,145.68 U10.5V
  In2.Cu-PWR-SIG w1: U10.5V U10.5V 91.24,143.14 ; U10.5V U10.5V 91.24,143.14 ; U10.5V 95.39,112.66 ; 95.39,112.66 95.39,109.06 v1(94.28,107.96) ; 95.39,112.66 98.69,115.96 98.69,118.31 v1(95.16,121.83) 91.24,125.76 91.24,143.14
/xESC/5V: length 146
  Top w0.3: R10.1 20.35,121.88 v1(21.07,121.88) ; D31.2 32.9,159.9 33.7,159.1 33.7,146.4 33.03,145.73 U8.5V
  Top w1: L5.2 20.65,110.05 C35.1 ; L5.2 20.2,109.6 v1(20.2,108) D4.1 ; L5.2 21.05,110.05 C21.1
  In2.Cu-PWR-SIG w0.5: J36.1 2.48,160.08 1,158.6 1,146.6 1.88,145.73 U8.5V
  In2.Cu-PWR-SIG w1: 17.15,143.19 17.15,125.8 v1(21.07,121.88) 24.6,118.35 24.6,116 21.31,112.71 ; 17.15,143.19 U8.5V U8.5V ; 17.15,143.19 U8.5V U8.5V ; 21.31,112.71 21.31,109.11 v1(20.2,108) ; 21.31,112.71 U8.5V
GND: length 290.2
  Top w0.2: U11.31 121.11,92.09 U11.29 ; U11.31 121.11,91.59 U11.28 ; U11.31 121.15,91.55 U11.25 ; U11.31 121.65,91.05 U11.26 ; U11.27 119.9,91.09 U11.31 ; U11.31 117.91,91.09 U11.15 ; U11.31 118.15,91.05 U11.19 ; U11.31 117.92,91.19 117.15,90.42 U11.17 ; v1(39.6,39.3) 40.35,38.55 U27.35 40.35,36.35 U27.37 ; R75.2 v1(31.2,36.1) ; U27.37 42.35,34.35 U27.22 45.55,34.35 46.9,33 v1(47.5,33) 48.45,32.05 C78.2 ; U27.37 41.6,34.93 ; U11.24 120.65,90.83 U11.31 ; C44.2 v1(36,16.05) ; v1(37.7,31.9) 38.65,32.85 U27.10 39.89,32.85 U27.37 ; C84.2 50.5,35.8 v1(51,35.3) ; U11.14 118.9,91.59 U11.31 ; v1(108,44.5) 107.96,44.46 R79.2 ; 42.22,33.05 42.57,33.05 42.85,32.77 U27.17 42.85,31.45 v1(42.3,30.9) ; U11.31 118.9,92.09 U11.13 ; C46.2 v1(33.5,16.05) ; R73.2 v1(31,33.3)
  Top w0.3: C6.2 v1(132.9,119.45) ; J12.73 153.05,126 v1(152.5,126.55) ; C20.2 124.83,155.97 v1(123.75,157.05) ; J12.35 152.5,139.8 v1(152.25,140.05) ; v1(97.28,117.81) 96.88,117.4 U47.2 ; J12.197 156.75,88.8 v1(156.75,88.8) ; v1(160.5,126.3) 161.1,125.7 162.52,125.7 ; 162.52,116.7 160.1,116.7 v1(160,116.8) ; v1(152.25,132.3) 152.55,132 154.32,132 ; v1(150.75,96.3) 151,96.55 152.5,96.55 153.05,96 J12.173 ; v1(156.75,90.55) 156.7,90.6 J12.191 ; J12.39 156.7,138.6 v1(156.75,138.55) ; J12.45 152.5,136.8 v1(152.25,137.05) ; 154.32,143.4 152.4,143.4 v1(152.25,143.55) ; J12.87 152.75,121.8 v1(152.25,122.3) ; C119.1 117.2,11.7 v1(117.15,11.75) ; 162.52,86.7 160.35,86.7 v1(160.25,86.8) ; J12.120 164.4,111.9 v1(165.25,111.05) ; v1(23.2,117.85) 22.8,117.45 U28.2 ; J12.168 164.2,97.5 v1(164.75,98.05) ; J12.192 160.25,90.3 v1(160.25,90.3) ; v1(130.8,100.95) 130.75,101 C2.2 ; 154.32,94.2 156.35,94.2 v1(156.5,94.05) ; J12.198 160.3,88.5 v1(160.25,88.55) ; J12.29 152.3,141.6 v1(152.25,141.55) ; 58.36,117.35 59.88,117.35 v1(60.28,117.75) ; v1(119.55,25.3) 119.16,24.91 R44.2 ; C40.2 v1(78,3.3) ; C38.2 v1(73,3.3) ; v1(94.4,31.15) 94.45,31.2 C111.2 ; v1(165.5,92.05) 165.45,92.1 J12.186 ; v1(159.75,94.3) 161.15,95.7 162.52,95.7 ; v1(156.75,87.05) 156.7,87 J12.203 ; J12.90 166.65,120.9 v1(168.25,119.3) ; U7.11 128.93,155.73 v1(129.25,156.05) ; v1(152.25,130.55) 152.6,130.2 J12.67 ; C8.2 193.18,83.68 v1(193.2,83.7) ; C109.2 v1(70.88,104.9) ; C39.2 v1(70.5,3.3) ; J12.55 156,133.8 v1(156.25,133.55) ; J12.82 160,123.3 v1(159.5,123.8) ; v1(152.5,128.8) 152.7,129 154.32,129 ; J12.185 156.4,92.4 v1(156.75,92.05) ; C19.2 124.83,146.47 v1(125.5,145.8) ; C120.1 v1(125.1,11.7) ; v1(187.3,83.8) 187.32,83.78 187.32,82.55 ; v1(156.25,103.8) 156.25,103.8 J12.147 ; U7.4 125.03,150.28 v1(125,150.3) 125.68,149.62 U7.5 ; C48.2 207.25,82.55 ; v1(152,135.3) 152.3,135 154.32,135 ; v1(165.25,94.05) 165.1,93.9 J12.180 ; R22.2 v1(75.5,3.3) ; v1(164.75,114.8) 164.75,114.05 164.4,113.7 162.52,113.7 ; C110.2 v1(107.88,104.96) ; C76.2 v1(33.8,105) ; C41.2 v1(68,3.3)
  Top w0.5: R29.2 61.93,120.25 v1(61.98,120.3) ; C107.2 100.63,111.9 v1(100.69,111.96) ; v1(215.6,161.6) 215.63,161.56 U5.2 ; v1(15.2,111.5) 15.65,111.95 C35.2 ; v1(24.9,120.4) 24.85,120.35 R17.2 ; v1(212.7,161.5) 213.1,161.11 U5.4 ; C102.2 63.63,111.85 v1(63.68,111.9) ; C45.2 v1(33.5,26.9) ; v1(57.7,28.6) 57.38,28.28 C58.2 44.52,28.28 v1(44.2,28.6) ; v1(141,86.05) 140.93,86.12 C31.2 ; v1(26.6,112) 26.55,111.95 C21.2 ; C104.2 89.21,113.83 v1(88.78,114.26) ; C15.1 v1(173.5,154.5) ; v1(217,161.6) 216.9,161.5 U5.1 ; C18.2 142.45,161.15 v1(142.4,161.1) ; C118.2 138.64,87.44 v1(138.5,87.3) ; C3.2 15.85,121.45 v1(15.9,121.5) ; U5.3 214.37,161.44 v1(214.2,161.6) ; v1(63.78,117) 63.73,116.95 D27.2 ; v1(124.95,20.55) U12.1 123.4,21.75 v1(123.95,22.3) ; C36.2 52.21,113.77 v1(51.78,114.2) ; v1(192.5,154) 192.45,154.05 C14.1 ; R32.2 98.93,120.3 v1(98.99,120.36) ; v1(218.6,153.4) 218.5,153.5 C17.2 ; v1(40.8,45.6) 40.75,45.55 C79.2 ; C43.2 v1(36,26.9) ; v1(145.5,86.05) 145.48,86.07 R62.2 ; C103.2 52.73,111.85 v1(52.28,111.4) ; C37.1 v1(122.5,22.7) ; v1(35.3,42.6) 35.35,42.55 R74.1 ; 89.94,120.59 89.94,121.41 v1(89.99,121.46) ; v1(14.7,114.3) 15.13,113.87 C1.2 ; C100.2 52.93,121.35 v1(52.98,121.4) ; D30.2 100.73,117 v1(100.78,117.06) ; C5.2 208.07,156.72 v1(208.1,156.75) ; C30.2 143.34,86.21 v1(143.5,86.05) ; v1(89.28,111.46) 89.73,111.9 C108.2 ; C82.2 v1(38.5,24.1) ; C80.2 v1(43,45.6) ; D1.2 v1(140.8,160.9) ; v1(26.7,117.1) 26.65,117.05 D22.2